# Altium PCB 18 4  第一版.PcbDoc (part 1 of 3)
Units mm, origin at the board's own origin, x right, y up, seen from the top; angles counter-clockwise.
Board outline 322.75 x 95.07 mm, 2 copper layers (Top Layer, Bottom Layer); 287 components, 198 nets, 1010 pads, 292 vias.
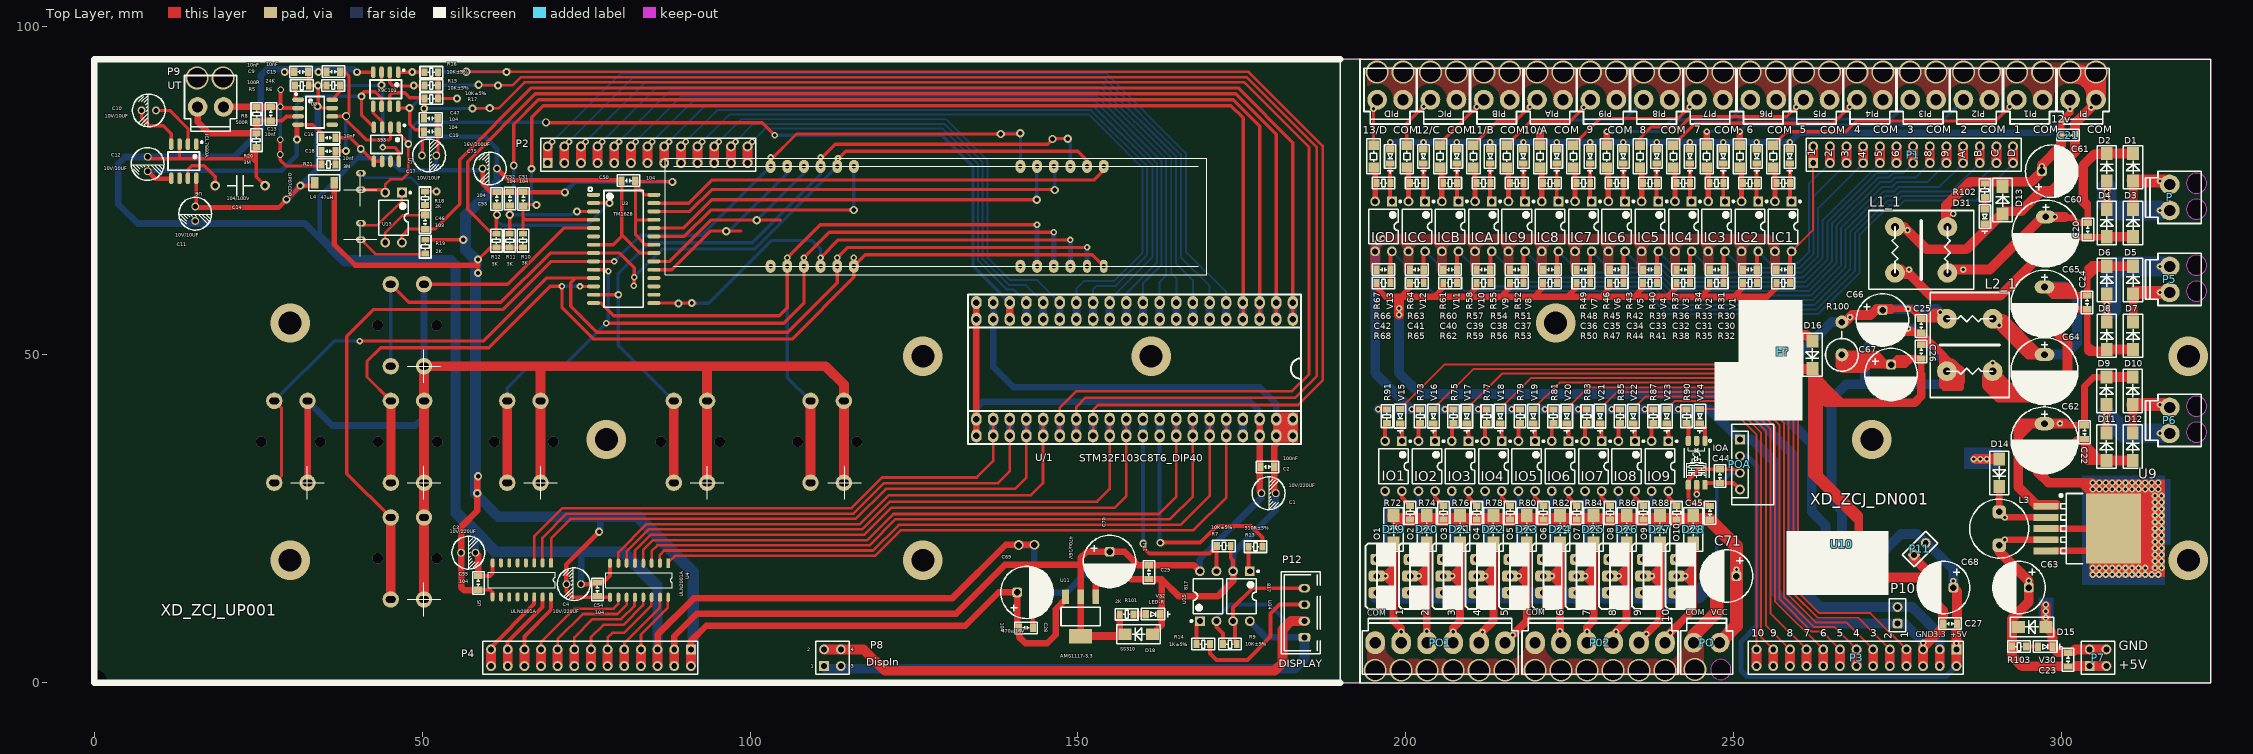
[diagram p0: Top Layer view]
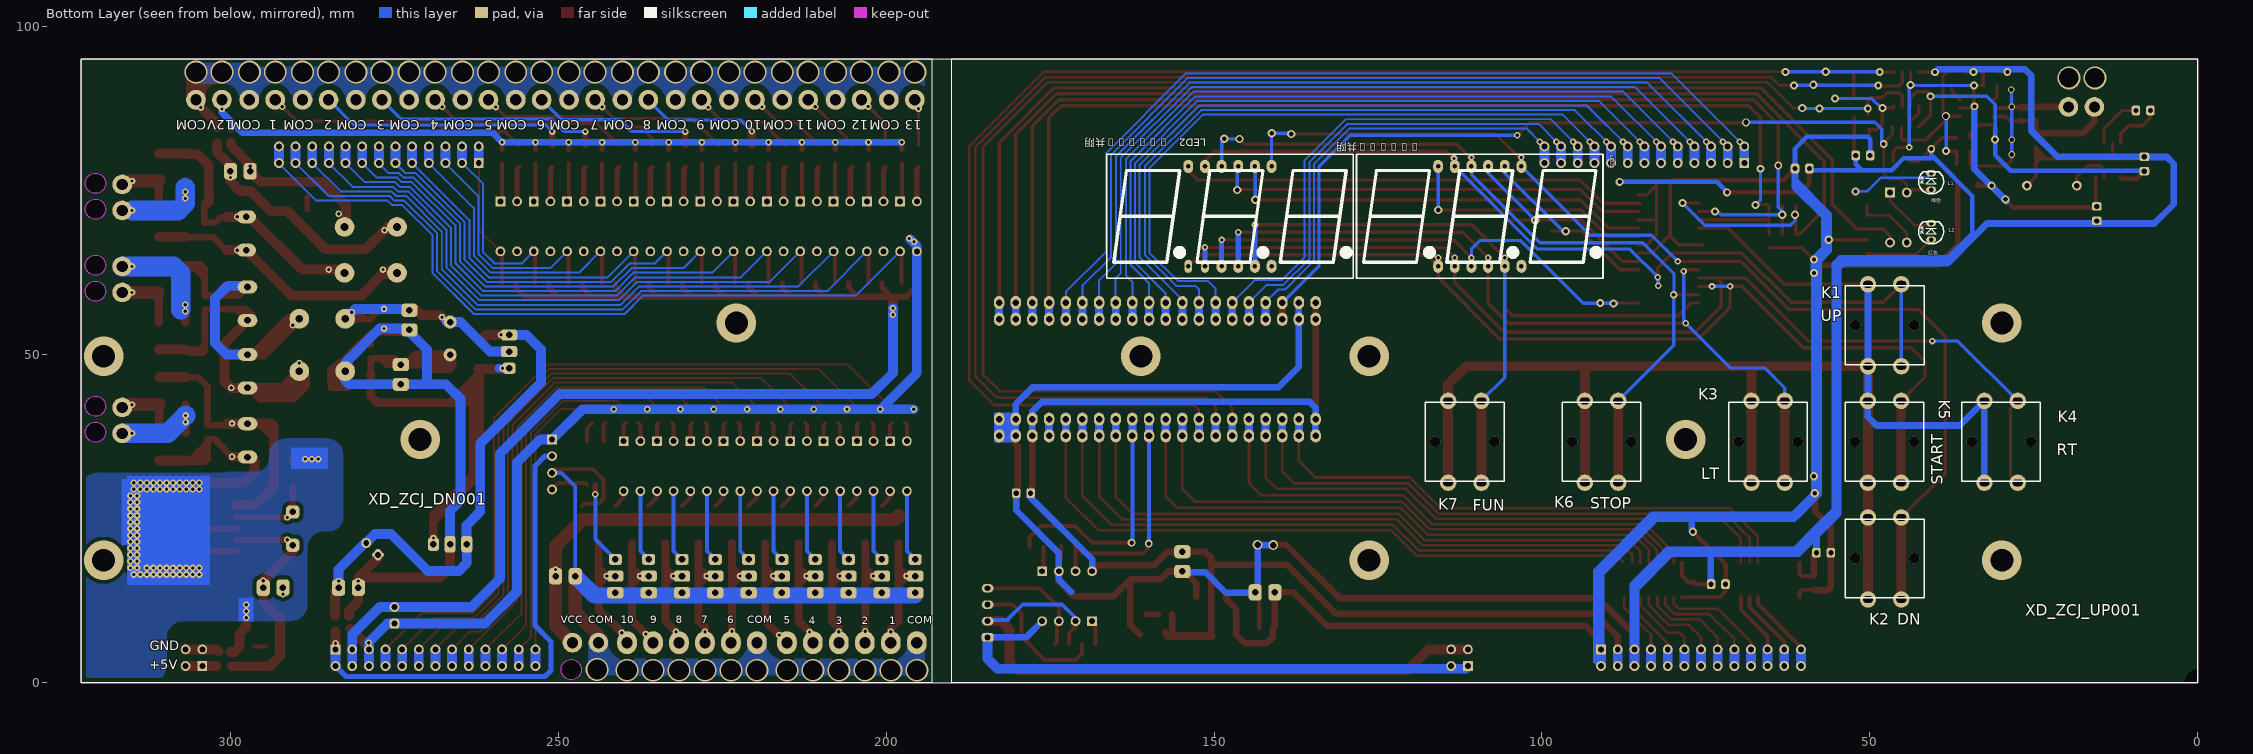
[diagram p1: Bottom Layer view, seen from below]
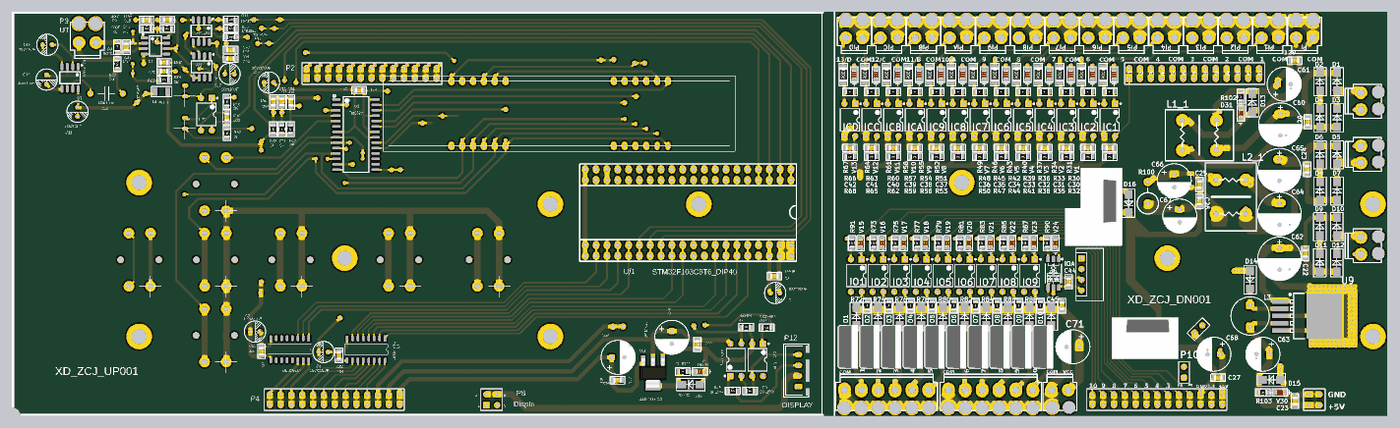
[diagram p4: 3D render of the assembled board from above, using the file's embedded part models]

## Layer stack, top to bottom
Top Solder: solder mask 0.0102, Solder Resist, Dk 3.5
Top Layer: signal copper 0.0356
Dielectric1: dielectric 0.32, FR-4, Dk 4.8
Bottom Layer: signal copper 0.0356
Bottom Solder: solder mask 0.0102, Solder Resist, Dk 3.5

## Board outline
0,0 322.75,0 322.75,95.072 0,95.072

## Design rules (kind name [scope] priority, off if disabled: settings)
Clearance [All] p1: gap=0.4 ignorepadtopadclearanceinfootprint=FALSE except(0: Arc-Hole Track-Hole SMDPad-Hole THPad-Hole Via-Hole Fill-Hole Poly-Hole Region-Hole Text-Hole)
PolygonConnect [All] p1: connectstyle=Direct reliefconductorwidth=0.254 reliefentries=4 polygonreliefangle="90 Angle" airgapwidth=0.254
RoutingVias [All] p1: holewidth=0.5 width=1 viastyle="Through Hole" minholewidth=0.5 minwidth=0.8 maxholewidth=0.5 maxwidth=1.2
SilkToSolderMaskClearance SilkscreenOverComponentPads [IsPad] p1: minsilkscreentomaskgap=0.254 clearancetoexposedcopper=TRUE
SolderMaskExpansion [All] p1: expansion=0.4
Width [All] p1: maxlimit=3 minlimit=0.3 preferedwidth=1.2 minimp=50.000000 maximp=50.000000 favimp=50.000000
29 further rules are at their usual default settings.

## Components (designator, comment, footprint, x,y, rotation, side; value= is the part's Value field where it differs from the comment)
1 "393" LC-SOIC-8_150mil 44.525,82.1 r180 top
C1 "10V/220UF" "C 5MM" 179.075,28.9 r0 top
C2 "100nF" 0805-c 178.9,32.9 r0 top
C3 "10V/220UF" "C 5MM" 57.025,19.825 r0 top (schematic designator C1)
C4 "10V/220UF" "C 5MM" 73.1,15.025 r180 top (schematic designator C1)
C9 "10nF" 0805-c 31.525,93.15 r0 top
C10 "10V/10UF" "C 5MM" 8.3,87.275 r180 top
C11 "10V/10UF" "C 5MM" 15.375,71.525 r270 top
C12 "10V/10UF" "C 5MM" 8.125,79.1 r270 top
C13 "10nf" 0805-c 26.9,86.75 r270 top
C14 "104/100V" Y电容 22.225,75.8 r180 top
C15 "10nF" 0805-c 36.45,93.175 r0 top
C16 "10nF" 0805-c 35.703,83.092 r0 top
C17 "10V/10UF" "C 5MM" 51.05,80.4 r0 top
C18 "10nf" 0805-c 35.703,81.06 r0 top
C19 "104" 0805-c 51.3,84.05 r180 top
C20 "104" 0805-C 304,69.1 r270 top
C21 "104" 0805-C 301,83.5 r0 top
C22 "103" 0805-C 303.5,38.2 r270 top
C23 "104" 0805-C 301,3.5 r270 top
C24 "103" 0805-C 303.9,58 r270 top
C25 "104" 0805-C 278.6,54.4 r270 top
C26 "104" 0805-C 278.6,50.5 r90 top
C27 "104" 0805-C 283,9 r180 top
C28 "104" 0805-C 142.075,8.375 r0 top
C29 "104" 0805-C 160.825,16.85 r270 top
C30 "104" 0805-C 257.556,62.992 r180 top
C31 "104" 0805-C 252.476,62.992 r180 top
C32 "104" 0805-C 247.396,62.992 r180 top
C33 "104" 0805-C 242.316,62.992 r180 top
C34 "104" 0805-C 237.236,62.992 r180 top
C35 "104" 0805-C 232.156,62.992 r180 top
C36 "104" 0805-C 227.076,62.992 r180 top
C37 "104" 0805-C 221.996,62.992 r180 top
C38 "104" 0805-C 216.916,62.992 r180 top
C39 "104" 0805-C 211.836,62.992 r180 top
C40 "104" 0805-C 206.756,62.992 r0 top
C41 "104" 0805-C 201.676,62.992 r0 top
C42 "104" 0805-C 196.596,62.992 r180 top
C44 "104" 0805-C 247.904,31.496 r270 top
C45 "103" 0805-C 246.38,25.908 r90 top
C46 "103" 0805-c 50.425,70.25 r90 top
C47 "104" 0805-c 51.3,86.05 r180 top
C50 "104" 0805-C 81.45,76.575 r180 top
C51 "104" 0805-C 65.425,73.775 r90 top
C52 "104" 0805-C 63.375,73.825 r270 top
C53 "104" 0805-C 61.35,73.775 r270 top
C54 "104" 0805-C 76.725,14.225 r270 top
C55 "104" 0805-C 58.55,15.225 r270 top
C60 "1000u/25V" C10mm 297.6,68.5 r270 top
C61 "470u/16V" "C 8mm" 298.5,78 r0 top
C62 "1000u/25V" C10mm 297.4,36.95 r270 top
C63 "1000uf/16V" "C 8MM" 293.5,14.5 r180 top
C64 "1000uF/25V" C10MM 297.4,47.5 r270 top
C65 "1000uF/25V" C10MM 297.4,57.8 r270 top
C66 "470uF/25V" "C 8MM" 272.7,55.3 r270 top
C67 "470uF/25V" "C 8MM" 274,47 r270 top
C68 "470u/16V" "C 8MM" 282,14.5 r180 top
C69 "470u/16V" "C 8MM" 142.225,13.775 r0 top
C70 "470u/16V" "C 8MM" 154.825,18.475 r270 top
C71 "100u/50V" "C 8MM" 248.92,16.256 r180 top
C75 "16V/100UF" "C 5MM" 60.3,78.4 r180 top
D1 "SS310" DO-214 310.9,78.6 r90 top
D2 "SS310" DO-214 306.9,78.6 r90 top
D3 "SS310" DO-214 310.9,70.1 r90 top
D4 "SS310" DO-214 306.9,70.1 r90 top
D5 "SS310" DO-214 310.9,61.4 r90 top
D6 "SS310" DO-214 306.9,61.4 r90 top
D7 "SS310" DO-214 310.9,52.9 r90 top
D8 "SS310" DO-214 306.9,52.9 r90 top
D9 "SS310" DO-214 306.85,44.5 r90 top
D10 "SS310" DO-214 310.85,44.5 r90 top
D11 "SS310" DO-214 306.85,36 r90 top
D12 "SS310" DO-214 310.85,36 r90 top
D13 "SS310" DO-214 291,73.6 r90 top
D14 "SS310" DO-214 290.5,32 r270 top
D15 "SS310" DO-214 295.5,8.5 r180 top
D16 "SS310" DO-214 262,50 r270 top
D18 "SS310" DO-214 159.25,7.375 r180 top
D19 "SS310" DO-214 198.12,23.368 r90 top
D20 "SS310" DO-214 203.2,23.368 r90 top
D21 "SS310" DO-214 208.28,23.368 r90 top
D22 "SS310" DO-214 213.36,23.368 r90 top
D23 "SS310" DO-214 218.44,23.368 r90 top
D24 "SS310" DO-214 223.52,23.368 r90 top
D25 "SS310" DO-214 228.6,23.368 r90 top
D26 "SS310" DO-214 233.68,23.368 r90 top
D27 "SS310" DO-214 238.76,23.368 r90 top
D28 "SS310" DO-214 243.84,23.368 r90 top
D31 "LED" 0805LED 288.3,71.1 r270 top
E? "PNP TIP32C" TO-220-2 257.5,50.5 r90 top
IC1 "" DIP4 257.556,69.596 r270 top
IC2 "" DIP4 252.476,69.596 r270 top
IC3 "" DIP4 247.396,69.596 r270 top
IC4 "" DIP4 242.316,69.596 r270 top
IC5 "" DIP4 237.236,69.596 r270 top
IC6 "" DIP4 232.156,69.596 r270 top
IC7 "" DIP4 227.076,69.596 r270 top
IC8 "" DIP4 221.996,69.596 r270 top
IC9 "" DIP4 216.916,69.596 r270 top
ICA "" DIP4 211.836,69.596 r270 top
ICB "" DIP4 206.756,69.596 r270 top
ICC "" DIP4 201.676,69.596 r270 top
ICD "" DIP4 196.596,69.596 r270 top
IO1 "" DIP4 198.12,33.02 r270 top
IO2 "" DIP4 203.2,33.02 r270 top
IO3 "" DIP4 208.28,33.02 r270 top
IO4 "" DIP4 213.36,33.02 r270 top
IO5 "" DIP4 218.44,33.02 r270 top
IO6 "" DIP4 223.52,33.02 r270 top
IO7 "" DIP4 228.6,33.02 r270 top
IO8 "" DIP4 233.68,33.02 r270 top
IO9 "" DIP4 238.76,33.02 r270 top
IOA "TLP155E" SOP-6 244.348,33.528 r270 top
K1 "UP" "轻触开关 12*12" 50.267,48.26 r180 bottom
K2 "DN" "轻触开关 12*12" 50.267,12.7 r180 bottom
K3 "LT" "轻触开关 12*12" 68.047,30.48 r180 bottom
K4 "RT" "轻触开关 12*12" 32.512,30.48 r180 bottom
K5 "START" "轻触开关 12*12" 50.292,30.48 r180 bottom
K6 "STOP" "轻触开关 12*12" 93.447,30.48 r180 bottom
K7 "FUN" "轻触开关 12*12" 114.3,30.48 r180 bottom
L1 "绿色" "3MM 发光二极管" 40.64,75.184 r90 bottom (schematic designator 绿)
L1_1 "20mH" UU9.8共模电感 278.6,66 r0 top (schematic designator L1)
L2 "红色" "3MM 发光二极管" 40.64,67.564 r90 bottom (schematic designator 红)
L2_1 "20mH" UU9.8共模电感 286,51.5 r90 top (schematic designator L2)
L3 "47uH 5%" "工字电感 8" 290.5,23.5 r270 top
L4 "47uH" LC-1206_L 35.075,76.25 r180 top
LED2 "5361AS共阴" 0.5英寸3位数码管#1 115.824,63.5 r180 bottom locked
LED2 "5361AS共阴" 0.5英寸3位数码管#2 153.924,63.5 r180 bottom locked (schematic designator LED1)
O1 "TIP122" TO-220-2 195.58,16.256 r270 top
O2 "TIP122" TO-220-2 200.66,16.256 r270 top
O3 "TIP122" TO-220-2 205.74,16.256 r270 top
O4 "TIP122" TO-220-2 210.82,16.256 r270 top
O5 "TIP122" TO-220-2 215.9,16.256 r270 top
O6 "TIP122" TO-220-2 220.98,16.256 r270 top
O7 "TIP122" TO-220-2 226.06,16.256 r270 top
O8 "TIP122" TO-220-2 231.14,16.256 r270 top
O9 "TIP122" TO-220-2 236.22,16.256 r270 top
O10 "TIP122" TO-220-2 241.3,16.256 r270 top
P "" VH3.96-2P 316.5,74 r90 top
P1 "p2" HDR2X13_CEN 262.128,79.248 r0 top
P02 "OUT" VH3.96-6P 229.616,6.096 r0 top
P2 "" HDR2X13_CEN 69.128,79.248 r0 top
P3 "p2" HDR2X13_CEN 283.972,5.08 r180 top
P4 "" HDR2X13_CEN 90.972,5.08 r180 top
P5 "" VH3.96-2P 316.5,61.5 r90 top (schematic designator P)
P6 "" VH3.96-2P 316.5,40 r90 top (schematic designator P)
P7 "DispOut" HDR2X2 304.292,2.54 r0 top
P8 "DispIn" HDR2X2 111.292,2.54 r0 top locked
P9 "UT" VH3.96-2P 17.725,87.8 r180 top locked (schematic designator PID)
P10 "" HDR1X2 275,9 r90 top
P11 "" HDR1X2 277.5,19.5 r45 top
P12 "DISPLAY" "HEADER 1*4" 184.525,10.65 r90 top
PI "" VH3.96-2P 303.276,88.9 r180 top
PI1 "" VH3.96-2P 295.148,88.9 r180 top
PI2 "" VH3.96-2P 287.02,88.9 r180 top
PI3 "" VH3.96-2P 278.892,88.9 r180 top
PI4 "" VH3.96-2P 270.764,88.9 r180 top
PI5 "" VH3.96-2P 262.636,88.9 r180 top
PI6 "" VH3.96-2P 254.508,88.9 r180 top
PI7 "" VH3.96-2P 246.38,88.9 r180 top
PI8 "" VH3.96-2P 238.252,88.9 r180 top
PI9 "" VH3.96-2P 230.124,88.9 r180 top
PIA "" VH3.96-2P 221.996,88.9 r180 top
PIB "" VH3.96-2P 213.868,88.9 r180 top
PIC "" VH3.96-2P 205.74,88.9 r180 top
PID "" VH3.96-2P 197.612,88.9 r180 top
PO "" VH3.96-2P 245.872,6.096 r0 top
PO1 "OUT" VH3.96-6P 205.232,6.096 r0 top
POA "B0512S-1W  隔离电源" HDR1X4 250.952,37.084 r270 top
R5 "100R" 0805-r 31.635,91.061 r0 top
R6 "24K" 0805-r 36.425,91.075 r180 top
R7 "510R±5%" 0805-r 177.075,20.725 r180 top
R8 "500R" 0805-r 24.75,86.725 r270 top
R9 "10K±5%" 0805-r 173.17,5.886 r0 top
R10 "3K" 0805-R 65.364,67.413 r270 top
R11 "3K" 0805-R 63.332,67.413 r270 top
R12 "3K" 0805-R 61.3,67.413 r270 top
R13 "10K±5%" 0805-r 172.253,20.85 r0 top
R14 "1K±5%" 0805-r 169.106,5.886 r0 top
R15 "10K±5%" 0805-R 51.375,91.075 r0 top
R16 "10K±5%" 0805-R 51.375,93.1 r0 top
R17 "10K±5%" 0805-R 51.375,89.075 r0 top
R18 "2K" 0805-R 50.425,73.875 r270 top
R19 "2K" 0805-R 50.45,66.5 r90 top
R20 "3M" 0805-r 24.7,82.725 r90 top
R21 "3M" 0805-r 35.703,79.028 r180 top
R30 "510R/0805" 0805-R 257.556,76.2 r0 top
R31 "4.7K/1206" 1206-R 256.032,80.264 r270 top
R32 "1K" 0805-R 257.556,60.96 r180 top
R33 "510R/0805" 0805-R 252.476,76.2 r0 top
R34 "4.7K/1206" 1206-R 250.952,80.264 r270 top
R35 "1K" 0805-R 252.476,60.96 r180 top
R36 "510R/0805" 0805-R 247.396,76.2 r0 top
R37 "4.7K/1206" 1206-R 245.872,80.264 r270 top
R38 "1K" 0805-R 247.396,60.96 r180 top
R39 "510R/0805" 0805-R 242.316,76.2 r0 top
R40 "4.7K/1206" 1206-R 240.792,80.264 r270 top
R41 "1K" 0805-R 242.316,60.96 r180 top
R42 "510R/0805" 0805-R 237.236,76.2 r0 top
R43 "4.7K/1206" 1206-R 235.712,80.264 r270 top
R44 "1K" 0805-R 237.236,60.96 r180 top
R45 "510R/0805" 0805-R 232.156,76.2 r0 top
R46 "4.7K/1206" 1206-R 230.632,80.264 r270 top
R47 "1K" 0805-R 232.156,60.96 r180 top
R48 "510R/0805" 0805-R 227.076,76.2 r0 top
R49 "4.7K/1206" 1206-R 225.552,80.264 r270 top
R50 "1K" 0805-R 227.076,60.96 r180 top
R51 "510R/0805" 0805-R 221.996,76.2 r0 top
R52 "4.7K/1206" 1206-R 220.472,80.264 r270 top
R53 "1K" 0805-R 221.996,60.96 r180 top
R54 "510R/0805" 0805-R 216.916,76.2 r0 top
R55 "4.7K/1206" 1206-R 215.392,80.264 r270 top
R56 "1K" 0805-R 216.916,60.96 r180 top
R57 "510R/0805" 0805-R 211.836,76.2 r0 top
R58 "4.7K/1206" 1206-R 210.312,80.264 r270 top
R59 "1K" 0805-R 211.836,60.96 r180 top
R60 "510R/0805" 0805-R 206.756,76.2 r0 top
R61 "4.7K/1206" 1206-R 205.232,80.264 r270 top
R62 "1K" 0805-R 206.756,60.96 r180 top
R63 "510R/0805" 0805-R 201.676,76.2 r0 top
R64 "4.7K/1206" 1206-R 200.152,80.264 r270 top
R65 "1K" 0805-R 201.676,60.96 r180 top
R66 "510R/0805" 0805-R 196.596,76.2 r0 top
R67 "4.7K/1206" 1206-R 195.072,80.264 r270 top
R68 "1K" 0805-R 196.596,60.96 r180 top
R72 "4.7K" 0805-R 200.66,25.908 r270 top
R73 "510R" 0805-R 202.184,40.64 r270 top
R74 "4.7K" 0805-R 205.74,25.908 r90 top
R75 "510R" 0805-R 207.264,40.64 r270 top
R76 "4.7K" 0805-R 210.82,25.908 r270 top
R77 "510R" 0805-R 212.344,40.64 r270 top
R78 "4.7K" 0805-R 215.9,25.908 r270 top
R79 "510R" 0805-R 217.424,40.64 r270 top
R80 "4.7K" 0805-R 220.98,25.908 r270 top
R81 "510R" 0805-R 222.504,40.64 r270 top
R82 "4.7K" 0805-R 226.06,25.908 r270 top
R83 "510R" 0805-R 227.584,40.64 r270 top
R84 "4.7K" 0805-R 231.14,25.908 r270 top
R85 "510R" 0805-R 232.664,40.64 r270 top
R86 "4.7K" 0805-R 236.22,25.908 r270 top
R87 "510R" 0805-R 237.744,40.64 r270 top
R88 "4.7K" 0805-R 241.3,25.908 r270 top
R90 "510R" 0805-R 242.824,40.64 r270 top
R91 "510R" 0805-R 197.104,40.64 r270 top
R100 "" 2W 266.5,50 r90 top
R101 "2K" 0805-R 157.425,10.425 r180 top
R102 "2K" 0805-r 288.3,75.1 r90 top
R103 "2K" 0805-R 293.5,5.5 r180 top
U3 "TM1628" SOP-28 80.725,66.15 r270 top locked
U4 "ULN2001A" SOP-16 83.075,15.625 r180 top
U5 "ULN2001A" SOP-16 65.175,15.675 r180 top
U6 "ICL7660A" LC-SOIC-8_150mil 13.625,79.525 r180 top
U7 "X9C103" LC-SOIC-8_150mil 44.425,90.5 r180 top
U8 "OP07CDR" LC-SOIC-8_150mil 33.667,86.997 r270 top
U9 "LM2576SX-5.0" LC-TO-263-5 297.6,23.5 r180 top
U10 "7805" TO-220-2 266.5,21.1 r180 top
U11 "AMS1117-3.3" LC-SOT-223 150.4,10.1 r90 top
U13 "" DIP4 45.625,70.925 r270 top
U14 "817" DIP4 174.935,13.19 r270 top
U15 "817" DIP4 169.855,13.19 r90 top
U/1 "STM32F103C8T6_DIP40" STM32F103C8T6 182.775,55.425 r180 top
V1 "" 0805LED 258.572,80.264 r270 top
V2 "" 0805LED 253.492,80.264 r270 top
V3 "" 0805LED 248.412,80.264 r270 top
V4 "" 0805LED 243.332,80.264 r270 top
V5 "" 0805LED 238.252,80.264 r270 top
V6 "" 0805LED 233.172,80.264 r270 top
V7 "" 0805LED 228.092,80.264 r270 top
V8 "" 0805LED 223.012,80.264 r270 top
V9 "" 0805LED 217.932,80.264 r270 top
V10 "" 0805LED 212.852,80.264 r270 top
V11 "" 0805LED 207.772,80.264 r270 top
V12 "" 0805LED 202.692,80.264 r270 top
V13 "" 0805LED 197.612,80.264 r270 top
V15 "" 0805LED 199.136,40.64 r270 top
V16 "" 0805LED 204.216,40.64 r270 top
V17 "" 0805LED 209.296,40.64 r270 top
V18 "" 0805LED 214.376,40.64 r270 top
V19 "LED3R" 0805LED 219.456,40.64 r270 top
V20 "" 0805LED 224.536,40.64 r270 top
V21 "" 0805LED 229.616,40.64 r270 top
V22 "" 0805LED 234.696,40.64 r270 top
V23 "" 0805LED 239.776,40.64 r270 top
V24 "" 0805LED 244.856,40.64 r270 top
V30 "LED-R" 0805LED 297.5,5.5 r0 top
V32 "LED-R" 0805LED 161.45,10.45 r0 top

## Footprints (in the part's own frame and the unit in brackets; to place one, negate y for a bottom-side part, rotate by r counter-clockwise, add the part's x,y. Pads: shape width x height; smd on the part's side, far side on the other; paste and mask are expansions set on the pad)
0.5英寸3位数码管#1 [mm]
  oval 1.5x2 hole 0.7: 1(0,0) 2(2.54,0) 3(5.08,0) 4(7.62,0) 5(10.16,0) 6(12.7,0) 7(12.7,15.24) 8(10.16,15.24) 9(7.62,15.24) 10(5.08,15.24) 11(2.54,15.24) 12(0,15.24)
  silkscreen extent -12.45,-1.83 25.15,17.07, body extent -12.45,-1.83 25.15,17.07, height 7.9
0.5英寸3位数码管#2 [mm]
  oval 1.2x2 hole 0.7: 1(0,0) 2(2.54,0)
  oval 1.5x2 hole 0.7: 3(5.08,0) 4(7.62,0) 5(10.16,0) 6(12.7,0) 7(12.7,15.24) 8(10.16,15.24) 9(7.62,15.24) 10(5.08,15.24) 11(2.54,15.24) 12(0,15.24)
  silkscreen extent -12.45,-1.83 25.15,17.07, body extent -12.45,-1.83 25.15,17.07, height 7.9
2W [mm]
  round 2 hole 1: 1(0,0) 2(5,0)
  silkscreen extent -2.5,-2.5 3.61,2.5
"3MM 发光二极管" [mm]
  oval 1x1.5 hole 0.7 unplated: A(0,0) k(2.5,0)
  silkscreen extent -0.65,-1.9 2.75,1.9, body extent -0.65,-1.9 3.15,1.9, height 5.5
0805-c [mm]
  rect 0.95x1.3 smd: 1(-1.05,0) 2(1.05,0)
  silkscreen extent -1.73,-0.87 1.73,0.87, body extent -1,-0.63 1,0.62, height 0.77
0805-C [mm]
  rect 0.95x1.3 smd: 1(-1.05,0) 2(1.05,0)
  silkscreen extent -1.73,-0.87 1.73,0.88, body extent -1,-0.63 1,0.62, height 0.77
0805-r [mm]
  rect 0.9x1.2 smd: 1(-1.05,0) 2(1.05,0)
  silkscreen extent -1.73,-0.87 1.73,0.88, body extent -1,-0.63 1,0.63, height 0.49
0805-R [mm]
  rect 0.9x1.2 smd: 1(-1.05,0) 2(1.05,0)
  silkscreen extent -1.73,-0.87 1.73,0.88, body extent -1,-0.63 1,0.63, height 0.49
0805LED [mm]
  rect 0.95x1.3 smd: A(-1.102,0) K(1.102,0)
  silkscreen extent -1.8,-0.87 2.62,0.87, body extent -1.01,-0.62 1.01,0.63, height 1.1
1206-R [mm]
  rect 1.5x1.6 smd: 1(-1.7,0) 2(1.7,0)
  silkscreen extent -2.65,-1 2.65,1, body extent -1.7,-0.86 1.65,0.87, height 0.85
C10mm [mm]
  oval 2x3 hole 1: 1(-2.54,0) 2(2.54,0)
  silkscreen extent -5.1,-5.1 5.1,5.1, body extent -4.97,-4.97 5,5.01, height 12.1
C10MM [mm]
  oval 2x3 hole 1: 1(-2.54,0) 2(2.54,0)
  silkscreen extent -5.1,-5.1 5.1,5.1, body extent -4.97,-4.97 5,5.01, height 12.1
"C 5MM" [mm]
  round 1.2 / inner oval 1.3x2 / far side rrect50% 1.3x1.5 hole 0.8: 1(-1.1,0) 2(1.1,0)
  silkscreen extent -2.5,-2.5 2.5,2.5, body extent -2.5,-2.5 2.51,2.5, height 11
"C 8mm" [mm]
  rrect50% 1.5x1.5 / inner oval 2x3 / far side rrect50% 2x2.5 hole 1: 1(-1.5,0)
  round 1.5 / inner oval 2x3 / far side rrect50% 2x2.5 hole 1: 2(1.5,0)
  silkscreen extent -4,-4 4,4, body extent -4,-4 3.98,3.98, height 12.1
"C 8MM" [mm]
  rrect50% 1.5x1.5 / inner oval 2x3 / far side rrect50% 2x2.5 hole 1: 1(-1.5,0)
  round 1.5 / inner oval 2x3 / far side rrect50% 2x2.5 hole 1: 2(1.5,0)
  silkscreen extent -4,-4 4,4, body extent -4,-4 3.98,3.98, height 12.1
DIP4 [mm]
  rect 1.5x1.5 hole 0.9: 1(-3.81,1.27)
  round 1.5 hole 0.9: 2(-3.81,-1.27) 3(3.81,-1.27) 4(3.81,1.27)
  silkscreen extent -3.95,-2.25 2.66,2.7
DO-214 [mm]
  rect 2x1.8 smd: 1(-2.1,0) 2(2.1,0)
  silkscreen extent -3.3,-1.48 3.3,1.48, body extent -2.63,-1.25 2.63,1.25, height 2.3
HDR1X2 [mm] "Connector; Header; 2 Po"
  rrect50% 1.5x1.5 hole 0.9: 1(0,0)
  round 1.5 hole 0.9: 2(2.54,0)
  silkscreen extent -1.27,-1.27 3.81,1.27
HDR1X4 [mm] "Connector; Header; 4 Po"
  rect 1.5x1.5 hole 0.9: 1(0,0)
  round 1.5 hole 0.9: 2(2.54,0) 3(5.08,0) 4(7.62,0)
  silkscreen extent -1.27,-1.27 8.89,1.27
HDR2X2 [mm] "Connector; Header; 2x2 Position"
  rect 1.5x1.5 hole 0.9: 1(0,0)
  round 1.5 hole 0.9: 2(0,2.54) 3(2.54,0) 4(2.54,2.54)
  silkscreen extent -1.27,-1.27 3.81,3.81
HDR2X13_CEN [mm] "Connector; Header; 13x2 Po"
  rect 1.5x1.5 hole 0.9: 1(0,0)
  round 1.5 hole 0.9: 2(2.54,0) 3(5.08,0) 4(7.62,0) 5(10.16,0) 6(12.7,0) 7(15.24,0) 8(17.78,0) 9(20.32,0) 10(22.86,0) 11(25.4,0) 12(27.94,0) 13(30.48,0) 14(0,2.54) 15(2.54,2.54) 16(5.08,2.54) 17(7.62,2.54) 18(10.16,2.54) 19(12.7,2.54) 20(15.24,2.54) 21(17.78,2.54) 22(20.32,2.54) 23(22.86,2.54) 24(25.4,2.54) 25(27.94,2.54) 26(30.48,2.54)
  silkscreen extent -1.06,-1.27 31.75,3.81
"HEADER 1*4" [mm]
  rrect50% 1.3x1.8 hole 0.9: 1(-3.75,0)
  oval 1.3x1.8 hole 0.9: 2(-1.25,0) 3(1.25,0) 4(3.75,0)
  silkscreen extent -6.25,-2.4 6.25,3.5, body extent -4.13,-0.38 4.13,0.37, height 5
LC-1206_L [mm]
  rect 1.13x1.8 smd: 1(-1.49,0) 2(1.49,0)
  silkscreen extent -2.36,-1.2 2.35,1.2
LC-SOIC-8_150mil [mm]
  oval 0.7x1.8 smd: 1(-1.905,-2.6) 2(-0.635,-2.6) 3(0.635,-2.6) 4(1.905,-2.6) 5(1.905,2.6) 6(0.635,2.6) 7(-0.635,2.6) 8(-1.905,2.6)
  silkscreen extent -2.9,-3.05 2.4,1.4
LC-SOT-223 [mm]
  rect 2.2x1 smd: 1(3,-2.3) 2(3,0) 3(3,2.3)
  rect 2.2x3.5 smd: 2(-3,0)
  silkscreen extent -1.4,-3 1.4,3, body extent -3.49,-3.24 3.49,3.24, height 1.64
LC-TO-263-5 [mm]
  rect 8.4x10.65 smd: 0(-10.3,0)
  rect 3.8x1.05 smd: 1(0,-3.4) 2(0,-1.7) 3(0,0) 4(0,1.7) 5(0,3.4)
  silkscreen extent -5.65,-5.35 -2.1,5.35
SOP-6 [mm]
  rrect50% 1.5x0.8 smd: 1(-3.35,1.27) 2(-3.35,0) 3(-3.35,-1.27) 4(3.35,-1.27) 5(3.35,0) 6(3.35,1.27)
  silkscreen extent -3.55,-1.9 2.3,2.23, body extent -2.25,-1.9 2.25,1.9, height 2.4
SOP-16 [mm]
  rect 0.6x1.4 smd: 1(-4.445,-2.6)
  oval 0.6x1.4 smd: 2(-3.175,-2.6) 3(-1.905,-2.6) 4(-0.635,-2.6) 5(0.635,-2.6) 6(1.905,-2.6) 7(3.175,-2.6) 8(4.445,-2.6) 9(4.445,2.6) 10(3.175,2.6) 11(1.905,2.6) 12(0.635,2.6) 13(-0.635,2.6) 14(-1.905,2.6) 15(-3.175,2.6) 16(-4.445,2.6)
  silkscreen extent -5.08,-1.16 5.08,1.17, body extent -4.83,-2.54 4.82,2.54, height 2.4
SOP-28 [mm]
  oval 0.6x2 smd: 1(-8.255,-4.601) 2(-6.985,-4.601) 3(-5.715,-4.601) 4(-4.445,-4.601) 5(-3.175,-4.601) 6(-1.905,-4.601) 7(-0.635,-4.601) 8(0.635,-4.601) 9(1.905,-4.601) 10(3.175,-4.601) 11(4.445,-4.601) 12(5.715,-4.601) 13(6.985,-4.601) 14(8.255,-4.601) 15(8.255,4.601) 16(6.985,4.601) 17(5.715,4.601) 18(4.445,4.601) 19(3.175,4.601) 20(1.905,4.601) 21(0.635,4.601) 22(-0.635,4.601) 23(-1.905,4.601) 24(-3.175,4.601) 25(-4.445,4.601) 26(-5.715,4.601) 27(-6.985,4.601) 28(-8.255,4.601)
  silkscreen extent -9.4,-5.4 8.9,3
STM32F103C8T6 [mm]
  oval 1.6x2 hole 1: 1(0,0) 1(0,-2.54) 2(2.54,0) 2(2.54,-2.54) 3(5.08,-2.54) 3(5.08,0) 4(7.62,-2.54) 4(7.62,0) 5(10.18,-2.54) 5(10.18,0) 6(12.7,-2.54) 6(12.7,0) 7(15.24,-2.54) 7(15.24,0) 8(17.78,-2.54) 8(17.78,0) 9(20.32,-2.54) 9(20.32,0) 10(22.86,-2.54) 10(22.86,0) 11(25.4,-2.54) 11(25.4,0) 12(27.94,-2.54) 12(27.94,0) 13(30.48,-2.54) 13(30.48,0) 14(33.02,-2.54) 14(33.02,0) 15(35.56,-2.54) 15(35.56,0) 16(38.1,-2.54) 16(38.1,0) 17(40.64,-2.54) 17(40.64,0) 18(43.18,-2.54) 18(43.18,0) 19(45.72,-2.54) 19(45.72,0) 20(48.26,-2.54) 20(48.26,0) 21(48.26,15.24) 21(48.26,17.78) 22(45.72,15.24) 22(45.72,17.78) 23(43.18,15.24) 23(43.18,17.78) 24(40.64,15.24) 24(40.64,17.78) 25(38.1,15.24) 25(38.1,17.78) 26(35.56,15.24) 26(35.56,17.78) 27(33.02,15.24) 27(33.02,17.78) 28(30.48,15.24) 28(30.48,17.78) 29(27.94,15.24) 29(27.94,17.78) 30(25.4,15.24) 30(25.4,17.78) 31(22.86,15.24) 31(22.86,17.78) 32(20.32,15.24) 32(20.32,17.78) 33(17.78,15.24) 33(17.78,17.78) 34(15.24,15.24) 34(15.24,17.78) 35(12.7,17.78) 35(12.7,15.24) 36(10.16,17.78) 36(10.16,15.24) 37(7.62,17.78) 37(7.62,15.24) 38(5.08,15.24) 38(5.08,17.78) 39(2.54,17.78) 39(2.54,15.24) 40(0,17.78) 40(0,15.24)
  silkscreen extent -1.27,-3.81 49.53,19.05
TO-220-2 [mm]
  rrect50% 1.7x2 hole 1: 1(-2.54,0)
  rrect50% 1.7x2.5 hole 1: 2(0,0) 3(2.54,0)
  silkscreen extent -5,-1.7 5,2.82, body extent -5.08,-1.62 5.08,2.73, height 19.6
UU9.8共模电感 [mm]
  round 3 hole 1.2: 1(-4,-3.5) 2(-4,3.5) 3(4,-3.5) 4(4,3.5)
  silkscreen extent -8,-6 8,6
VH3.96-2P [mm]
  round 3 hole 1.7: 1(-1.98,0) 2(1.98,0)
  silkscreen extent -3.98,-4.8 3.98,3.7
VH3.96-6P [mm]
  oval 3x3.5 hole 1.7: 1(-9.9,0) 2(-5.94,0) 3(-1.98,0) 4(1.98,0) 5(5.94,0) 6(9.9,0)
  silkscreen extent -11.9,-4.8 11.9,3.7, body extent -11.89,-4.77 11.91,3.7, height 7.5
Y电容 [mm]
  round 1.5 hole 0.8: 1(-3.81,0) 2(3.81,0)
  silkscreen extent -2,-1.6 2,1.6
"工字电感 8" [mm]
  rrect50% 2x2 hole 1: 1(-2.54,0) 2(2.54,0)
  silkscreen extent -4.5,-4.5 4.5,4.5, body extent -3.2,-3.2 3.17,3.19, height 11
"轻触开关 12*12" [mm]
  round 2.5 hole 1 slot 1.5 at 0 deg unplated: 1(0,0) 1(0,12.5) 2(5.08,0) 2(5.08,12.5)
  silkscreen extent -3.46,0.25 8.54,12.25, body extent -3.46,0.25 8.54,12.25, height 12

## Part data
1: library part LM393DR
C1 C3 C4 C10 C11 C12 C17 C75: library part "Cap Pol1", "Polariz"
C2 C9 C13 C15 C16 C18: library part "0402 100nF ("
C14: library part "Cap Semi", "Cap"
C19 C47 C50 C51 C52 C53 C54 C55: library part "Cap Semi", "Capacitor (Semi"
C20 C21 C22 C23 C24 C25 C26 C27 C45 IO5: library part Pro2
C30 C31 C32 C33 C34 C35 C36 C37 C38 C39 C40 C41 C42 R72 R73 R74 R75 R76 R77 R78 R79 R80 R81 R82 R83 R84 R85 R86 R87 R88 R90 R91 R100 R102 R103: library part Pro
C44: library part Cap
C60 C62 C64 C65 C66 C67: library part Pro2C.tmp_
C61 C63 C68 C71: library part Pro2C.tmp
C69 C70: library part P
D1 D2 D3 D4 D5 D6 D7 D8 D9 D10 D11 D12 D13 D14 D15 D16: library part "Diode 1N4007", "3A"
D18: library part "Diode 1N"
D19 D20 D21 D22 D23 D24 D25 D26 D27 D28: library part "Diode 1N4007", "1 Amp General Purpo"
D31 V19 V30: library part Pro2C.
IC1 IC2 IC3 IC4 IC5 IO1 IO2 IO3 IO4 IO6 IO7 IO8 IO9 V1 V2 V3 V4 V5 V15 V16 V17 V18 V20 V21 V22 V23 V24: library part Pro2C.tm
IC6 IC7 IC8 IC9 ICA ICB ICC ICD V6 V7 V8 V9 V10 V11 V12 V13: library part Pro2C.t
L1_1: library part Tr
L2_1: library part "Trans Cupl", "Transformer"
L3: library part 0402
P P5 P6 PI PI1 PI2 PI3 PI4 PI5 PI6 PI7 PI8 PI9 PIA PIB PIC PID PO: library part "Header 2", "H"
P1 P2 P3 P4: library part "Header 13X2A", "Header, 13-Pin, Dual row"
P02 PO1: library part "Header 7", "H"
P7 P8 P10 P11: library part "Header 2", "Header, 2-Pin"
P9 P12: library part Head
POA: library part "Header 4", "Header, 4-Pin"
R5 R6 R7 R8 R9 R13 R14 R15 R16 R17 R20 R21: library part "0805 2"
R30 R31 R32 R33 R34 R35 R36 R37 R38 R39 R40 R41 R42 R43 R44 R45 R46 R47 R48 R49 R50 R51 R52 R53 R54 R55 R56 R57 R58 R59 R60 R61 R62 R63 R64 R65 R66 R67 R68: library part Res2, "Resi"
U6: library part ICL7660AIBAZA
U8: library part OP07C
U9: "D"
U10: library part Pro2C
U11: library part "SOT-223 AMS1117"

## Free pads (board coordinates)
  round 0.8 hole 4: 0(0,0)
  round 1 hole 0.5: 0(269.04,22.075) 0(276.575,54) 0(276.575,57) 1(283.5,15.5) 1(298.95,71.04) 2(280.5,15.5) 2(298.95,65.96) 3(292,13.5) 4(295,15.525) 5(291.34,21.8) 6(291.34,25.2) 7(299.75,34.46) 8(299.75,39.54) 9(299.885,44.96) 11(289.5,48.75) 12(290.48,54.52) 13(281.489,56.511) 14(258.5,47.96) 15(258.75,53.04) 16(276.75,63) 17(276.491,69.009) 18(283.5,71.5) 19(285,63) 22(297,78.75) 23(300,77.05) 24(301.296,87.5) 25(304.511,87.711) 26(315,59.52) 27(315,76.5) 28(315,42.4) 29(315,38.02) 30(315,63.48) 31(315,72.02) 34(267.75,55.75) 35(283.972,6) 36(250.42,17.25) ""(196.901,16.256) ""(199.292,7.775) ""(201.981,16.256) ""(203.2,7.825) ""(207.061,16.256) ""(207.212,7.775) ""(211.69,7.74) ""(212.141,16.256) ""(216.301,7.265) ""(217.221,16.256) ""(222.301,16.256) ""(223.52,7.85) ""(227.381,16.256) ""(227.636,7.775) ""(232.056,7.781) ""(232.461,16.256) ""(236.669,7.419) ""(237.541,16.256) ""(240.334,7.634) ""(242.621,16.256)
  round 1.524 hole 0.762: 1(83.352,5.08)

## Via types
v1: diameter 1, hole 0.5, Top Layer to Bottom Layer, 155 vias
v2: diameter 3.5, hole 3, Top Layer to Bottom Layer, 43 vias
v3: diameter 1.2, hole 0.6, Top Layer to Bottom Layer, 28 vias
v4: diameter 1.6, hole 1.6, Top Layer to Bottom Layer, 14 vias
v5: diameter 6, hole 3.5, Top Layer to Bottom Layer, 11 vias
v6: diameter 1.25, hole 0.7, Top Layer to Bottom Layer, 11 vias
v7: diameter 1.27, hole 0.711, Top Layer to Bottom Layer, 11 vias
v8: diameter 3.05, hole 3.05, Top Layer to Bottom Layer, 6 vias
v9: diameter 1.2, hole 0.7, Top Layer to Bottom Layer, 4 vias
v10: diameter 1, hole 0.7, Top Layer to Bottom Layer, 4 vias
v11: diameter 1.5, hole 1, Top Layer to Bottom Layer, 2 vias
v12: diameter 1.2, hole 0.8, Top Layer to Bottom Layer, 2 vias
v13: diameter 3, hole 3, Top Layer to Bottom Layer, 1 vias

## Nets (pads, with @x,y where several pads share a name; then routed paths per layer and width w, separated by ;. In a path a pad name is that pad's centre, name@x,y a point inside that pad or via, vN(x,y) a via of type N, cw(c..) or ccw(c..) an arc to the next point about the centre after c; other vN are vias at no path point)
07OUT: 1.2 C15.2 C18.2 R21.1 U8.6 | length 29.3
  Top Layer w0.5: U8.6@36.267,86.362 v12@38.262,86.362 ; R21.1@36.753,79.028 C18.2@36.753,81.06 v3@38.215,81.06 ; C15.2@37.5,93.225 38.125,93.225 38.825,92.525 38.825,86.925 v12@38.262,86.362 ; 1.2@45.16,84.7 45.16,82.96 44.975,82.775 41.45,82.775 38.262,85.963 v12@38.262,86.362
  Bottom Layer w0.5: v3(38.35,81.075) 38.35,86.35 v12(38.4,86.4)
+3V3: C1.1 C2.1 C29.1 C70.1 D18.2 P4.2 P4.15 R101.2 U11.2 U15.4 U/1.20 U/1.21 U/1.38 | length 218.6
  Top Layer w0.8: U/1.21@134.495,37.625 U/1.21@134.515,37.645 U/1.21@134.515,40.185 ; U/1.20@134.495,57.945 U/1.20@134.515,57.965 ; 150.075,18 150.4,18.325
  Top Layer w1: P4.2@88.432,5.08 88.432,7.082 91.875,10.525 131.4,10.525 138.875,18 150.075,18 ; U/1.21@134.495,37.625 U/1.20@134.495,57.945 ; U11.2@150.4,7.1 U11.2@150.4,13.1 150.4,18.325 150.4,19.05 151.325,19.975 C70.1@154.825,19.975 157.1,19.975 159.175,17.9 C29.1@160.825,17.9 167.685,17.9 U15.4@168.585,17 ; 156.075,7.1 156.375,7.4 R101.2@156.375,10.425 ; D18.2@157.15,7.375 D18.2@157.45,7.675 ; U/1.38@177.695,40.185 U/1.38@177.695,37.645 177.695,29.18 C1.1@177.975,28.9
  Top Layer w1.2: U11.2@150.4,7.1 156.075,7.1 D18.2@157.1,7.1
  Top Layer w1.5: P4.15@88.432,2.54 P4.2@88.432,5.08
  Bottom Layer w1: U/1.21@134.515,40.185 134.515,41.94 135.425,42.85 176.25,42.85 177.695,41.405 U/1.38@177.695,40.185 U/1.38@177.695,37.645 ; U/1.21@134.565,37.49 U/1.21@134.565,39.885 ; U15.4@168.585,17 168.585,18.835 177.975,28.225 C1.1@177.975,28.9 C1.1@177.975,29.27
  Bottom Layer w1.5: P4.15@88.432,2.54 P4.2@88.432,5.08
+5V: C3.1 C4.2 C17.1 C19.2 C28.1 C50.2 C54.2 C55.2 C69.1 C75.1 L4.1 P4.1 P4.14 R10.2 R11.2 R12.2 R15.2 R16.2 R17.2 R19.2 U3.7 U3.21 U4.9 U5.9 U7.8 U11.3 | length 462.6
  Top Layer w0.5: U7.8@46.33,87.9 46.58,87.65 v3(48.075,87.65) 48.075,85.175 48.925,84.325 C19.2@50.175,84.325 ; C17.1@50.05,80.725 C19.2@50.05,83.95 ; R19.2@50.45,67.55 v6@56.175,67.55 ; R16.2@52.425,93.1 R15.2@52.425,91.075 R17.2@52.425,89.075 v3(55.275,89.075) ; v3(58.5,62.5) 58.5,63.65 v3(58.5,64.525) 60.338,66.363 R12.2@61.3,66.363 R11.2@63.332,66.363 R10.2@65.364,66.363 ; U3.7@75.5,66.785 U3.7@76.124,66.785 79.11,66.785 80.425,68.1 80.425,76.425 C50.2@80.2,76.65 ; 80.525,68.2 83.21,65.515 U3.21@85.326,65.515
  Top Layer w0.6: C55.2@58.55,14.175 60.3,14.175 60.73,13.745 U5.9@60.73,13.075 ; C4.2@71.975,15.35 71.975,13.9 72.85,13.025 U4.9@78.63,13.025
  Top Layer w0.7: C75.1@61.525,78.275 63.15,76.65 C50.2@80.2,76.65 ; C4.2@71.975,15.35 71.975,18.025 v6(76.975,23.025)
  Top Layer w0.8: L4.1@36.565,76.25 36.565,66.86 39.775,63.65 58.5,63.65
  Top Layer w1: v6@58.4,31.575 v6(58.4,28.9) 58.4,26.225 55.925,23.75 C3.1@55.925,19.825 55.925,14.55 56.375,14.1 58.475,14.1 C55.2@58.55,14.175 ; P4.1@90.972,5.08 90.972,6.347 93.3,8.675 132.825,8.675 137.925,13.775 140.15,13.775 C69.1@140.438,13.487 ; C69.1@140.725,13.775 140.725,8.675 C28.1@141.025,8.375 141.025,6.975 142,6 145.3,6 146.625,7.325 146.625,11.2 148.1,12.675 U11.3@148.1,13.1
  Top Layer w1.5: P4.14@90.972,2.54 P4.1@90.972,5.08
  Bottom Layer w0.5: v3(48.075,87.65) 48.275,87.65 49.7,89.075 v3(55.275,89.075)
  Bottom Layer w0.7: C17.1@49.95,80.4 49.95,82.875 50.325,83.25 59.6,83.25 61.4,81.45 C75.1@61.4,78.4
  Bottom Layer w1: v6(58.4,28.9) 58.4,28.887 v6@58.425,28.862 ; v3(58.5,62.5) v3(58.5,64.525) 58.5,64.625 56.925,66.2 56.925,71.05 ; C75.1@61.4,78.4 61.4,76.6 ; v6(76.975,23.025) 77.15,23.2 77.15,25.025 ; P4.1@90.972,5.08 90.972,16.628 82.575,25.025 77.15,25.025 ; 91.7,3.268 91.7,17.075 83.188,25.587 77.15,25.587 ; 56.25,70.375 56.25,71.45 61.4,76.6 ; 56.25,70.375 56.925,71.05 ; 56.25,70.375 v6(56.25,67.55) 56.25,65.9 57.75,64.4 ; 56.925,71.05 61.4,75.525 61.4,76.6 ; 57.75,64.4 58.425,63.725 v6@58.425,28.862 ; 57.75,64.4 57.75,28.8 58.425,28.125 ; 58.425,28.125 v6@58.425,28.862 ; 58.425,28.125 60.963,25.587 ; v6@58.425,28.862 61.7,25.587 ; 60.963,25.587 61.7,25.587 ; 60.963,25.587 61.525,25.025 77.15,25.025 ; 61.7,25.587 77.15,25.587 ; 77.15,25.025 77.15,25.587
  Bottom Layer w1.5: P4.14@90.972,2.54 P4.1@90.972,5.08
  other v6: 58.525,31.475
+5V_DSO: 1.8 C9.2 C11.1 L4.2 R5.2 R6.2 U6.8 U7.3 U8.7 | length 76.4
  Top Layer w0.5: C11.1@15.375,72.625 15.53,72.78 U6.8@15.53,77.075 ; C9.2@32.685,93.093 R5.2@32.685,91.061 v3(34.125,91.061) ; R6.2@35.375,91.075 35.361,91.061 v3(34.125,91.061) ; U8.7@36.267,87.632 34.268,87.632 34.125,87.775 v3(34.125,91.061) ; U7.3@43.79,93.1 v3(43.79,91.125) 43.79,91.01 v3@43.9,90.9 ; v1(43.975,81.625) 45.775,81.625 46.43,80.97 1.8@46.43,79.5
  Top Layer w0.7: C11.1@15.85,72.468 28.093,72.468 v6(31.425,75.8) L4.2@33.635,75.8 ; L4.2@33.26,75.925 L4.2@33.51,76.175
  Bottom Layer w0.5: v3(34.125,91.061) 43.726,91.061 v3(43.79,91.125) 43.975,90.94 v1(43.975,81.625)
  Bottom Layer w1: v6@29.15,73.45 34.05,78.35 v3(34.05,87.9)
  other v6: 29.3,73.7
+12: 
+24V: 
-5V_DSO: 1.4 C12.2 C16.1 U6.5 U7.6 U8.4 | length 63.8
  Top Layer w0.5: U8.4@30.925,84.95 U8.4@31.067,85.092 33.333,85.092 34.653,83.772 C16.1@34.653,83.092 ; 1.4@42.62,84.7 40.725,86.595 v3(40.725,89.425) 40.725,89.775 41.075,90.125 42.8,90.125 43.79,89.135 U7.6@43.79,87.9
  Top Layer w0.7: C12.2@8.125,78 9.3,76.825 11.5,76.825 U6.5@11.75,77.075 ; v3(30.9,82.825) 30.9,84.925 U8.4@30.925,84.95
  Bottom Layer w0.5: 30.875,84.45 30.875,88.15 32.15,89.425 v3(40.725,89.425)
  Bottom Layer w0.7: C12.2@8.25,78.075 28.525,78.075 30.875,80.425 30.875,84.45
A: K1.2 LED2.11 U3.8 | length 140.1
  Top Layer w0.5: K1.2@45.187,60.76 47.922,58.025 62,58.025 69.49,65.515 U3.8@76.124,65.515 80.085,65.515 82.325,63.275 v1@82.325,60.3 ; LED2.11@113.284,78.74 113.284,79.734 114.575,81.025 149.95,81.025 151.384,79.591 LED2.11@151.384,78.74
  Bottom Layer w0.5: K1.2@45.187,48.26 K1.2@45.187,60.76 ; v1@82.25,60.525 82.325,60.6 v1(82.325,61.85) ; v1(82.275,60.525) 82.275,61.8 86.6,66.125 100.669,66.125 LED2.11@113.284,78.74 ; LED2.11@151.384,78.109 LED2.11@151.384,78.74
  other v1: 113.4,79.95
B: K2.2 LED2.7 U3.9 | length 166
  Top Layer w0.5: K2.2@45.187,25.2 38.5,31.887 38.5,52.85 42.575,56.925 62.325,56.925 69.645,64.245 U3.9@76.124,64.245 v1(79.28,64.245) ; LED2.7@103.124,78.74 103.124,79.724 107.075,83.675 v7@141.2,83.675
  Top Layer w1.4: K2.2@45.187,12.7 K2.2@45.187,24.2
  Bottom Layer w0.5: v1(79.28,64.245) 83.285,68.25 92.634,68.25 LED2.7@103.124,78.74 ; v7(138.225,83.675) 138.325,83.775 v7(141.2,83.775) 141.224,83.751 LED2.7@141.224,78.74
  other v1: 103.15,80.1
C: K3.2 LED2.4 U3.10 | length 127.3
  Top Layer w0.5: U3.10@76.124,62.975 78.175,62.975 v1(78.387,62.763) ; v1(78.075,54.8) 105.123,54.8 108.204,57.881 LED2.4@108.204,63.5 v1(108.204,64.799) 112.08,68.675 v1(146.304,68.675)
  Top Layer w1.5: K3.2@62.967,30.48 K3.2@62.967,42.98
  Bottom Layer w0.5: K3.2@62.967,42.98 62.967,44.942 66.025,48 71.275,48 v1(78.075,54.8) 78.375,55.1 v1@78.375,62.763
  Bottom Layer w0.8: LED2.4@146.304,63.5 v1(146.304,68.675)
CLK: C52.2 R11.1 U3.3 U/1.3 | length 180.7
  Top Layer w0.5: R11.1@63.332,68.463 63.332,72.732 C52.2@63.375,72.775 ; v9@63.95,78.725 63.95,85.125 67.725,88.9 173.704,88.9 177.725,84.879 U/1.3@177.725,55.1 ; v3(73.59,71.865) U3.3@76.124,71.865
  Bottom Layer w0.5: v9(63.95,78.875) 63.95,72.525 63.35,71.925 v7(63.35,71.375) 72.7,71.375 73.125,71.8 v3@73.525,71.8
  Bottom Layer w1.2: U/1.3@177.695,55.425 U/1.3@177.695,57.965
CMP: C46.1 U13.4 U/1.1 | length 183.5
  Top Layer w0.5: U13.4@47.25,67.2 46.875,67.575 46.875,68.1 47.975,69.2 52,69.2 54.225,71.425 ; 54.05,71.3 55.725,72.975 55.725,79.775 66.65,90.7 174.45,90.7 182.775,82.375 U/1.1@182.775,57.965 U/1.1@182.775,55.425
  Bottom Layer w1.2: U/1.1@182.775,55.425 U/1.1@182.775,57.965
CMPOUT: 1.1 L1.A U13.2 U/1.18 | length 133.8
  Top Layer w0.4: U13.2@44.355,74.735 44.355,75.98 45.15,76.775 46.925,76.775 47.875,77.725 v3(47.875,82.175)
  Top Layer w0.5: L1.A@40.64,75.184 43.641,75.184 U13.2@44.35,74.475 ; 1.1@46.525,84.8 46.525,83.675 v3@47.825,82.375 ; v12@68.913,85.388 101.862,85.388 v1(103.775,83.475)
  Top Layer w1.2: U/1.18@139.595,55.425 U/1.18@139.595,57.965
  Bottom Layer w0.5: v3@48.15,82.15 48.15,84.4 49.2,85.45 v12(68.875,85.45) ; v1(103.775,83.475) 129.239,83.475 133.975,78.739 133.975,63.585 U/1.18@139.595,57.965
COM: 
COM1: LED2.12@153.924,78.74 U3.27 | length 71.7
  Top Layer w0.5: U3.27@84.95,73.125 90.65,73.125 94.2,76.675 152.475,76.675 153.924,78.124 LED2.12@153.924,78.74
COM2: LED2.9@146.304,78.74 U3.26 | length 66.2
  Top Layer w0.5: U3.26@85.326,71.865 90.79,71.865 94.124,75.199 v7@146.45,75.199
  Bottom Layer w0.5: LED2.9@146.304,78.74 146.45,78.594 v7(146.45,75.125)
COM3: LED2.8@143.764,78.74 U3.24 | length 65.3
  Top Layer w0.5: U3.24@85.326,69.325 89.825,69.325 94.15,73.65 v7(143.725,73.65)
  Bottom Layer w0.5: v7(143.725,73.65) 143.725,78.701 LED2.8@143.764,78.74
COM4: LED2.12@115.824,78.74 U3.23 | length 38.8
  Top Layer w0.5: U3.23@85.326,68.055 89.955,68.055 93.975,72.075 v7(115.825,72.075)
  Bottom Layer w0.5: LED2.12@115.824,78.74 v7(115.825,72.075) v7(115.825,72.075)
COM5: LED2.9@108.204,78.74 U3.20 | length 33.1
  Top Layer w0.5: U3.20@85.326,64.245 87.72,64.245 94.025,70.55 104.625,70.55
  Bottom Layer w0.5: v7(101.025,70.5) 108.204,77.679 LED2.9@108.204,78.74
COM6: LED2.8@105.664,78.74 U3.19 | length 29.2
  Top Layer w0.5: U3.19@85.326,62.975 88.048,62.975 93.948,68.875 98.575,68.875
  Bottom Layer w0.5: v7@96.85,68.9 105.664,77.714 LED2.8@105.664,78.74
  other v7: 96.35,68.85
D: K4.2 LED2.2 U3.11 | length 165.3
  Top Layer w0.5: K4.2@27.432,30.48 28.55,31.598 28.55,41.862 K4.2@27.432,42.98 ; v1(40.475,52.1) 59.325,52.1 68.93,61.705 73.355,61.705 ; U3.11@76.124,61.705 73.355,61.705 ; v1@151.382,66.375 114.86,66.375 v1(113.284,64.799) LED2.2@113.284,63.5 113.284,61.009 105.725,53.45 76.6,53.45 72.65,57.4 72.65,61 73.355,61.705
  Bottom Layer w0.5: K4.2@27.432,42.98 36.552,52.1 v1(40.475,52.1)
  Bottom Layer w0.8: LED2.2@151.382,63.502 v1(151.382,66.4)
DGND: P8.2 P8.4 P12.2 R9.1 U15.2 | length 100.5
  Top Layer w0.6: U15.2@171.125,9.38 171.125,8.475 172.12,7.48 R9.1@172.12,5.886
  Top Layer w1.5: P8.2@111.292,5.08 117.32,5.08 120.575,1.825 180,1.825 181.175,3 181.175,8.075 182.5,9.4 P12.2@184.525,9.4
  Bottom Layer w0.6: U15.2@171.125,9.38 171.125,9.9 173.175,11.95 179.175,11.95 181.425,9.7 181.425,9.575 184.35,9.575 P12.2@184.525,9.4
DIO: C53.2 R12.1 U3.2 U/1.2 | length 200.3
  Top Layer w0.5: R12.1@61.05,68.425 60.675,68.425 56.925,72.175 56.925,79.475 67.25,89.8 174.077,89.8 180.235,83.642 U/1.2@180.235,57.965 U/1.2@180.235,55.425 ; R12.1@61.3,68.463 61.3,72.675 C53.2@61.35,72.725 ; U3.2@76.124,73.135 76.139,73.15 v3(78.55,73.15)
  Bottom Layer w0.5: v7(61.4,71.35) 61.4,70.475 62.1,69.775 75.175,69.775 v3(78.55,73.15)
  Bottom Layer w1.2: U/1.2@180.235,55.425 U/1.2@180.235,57.965